# KiCad board kintsugi_v2.kicad_pcb
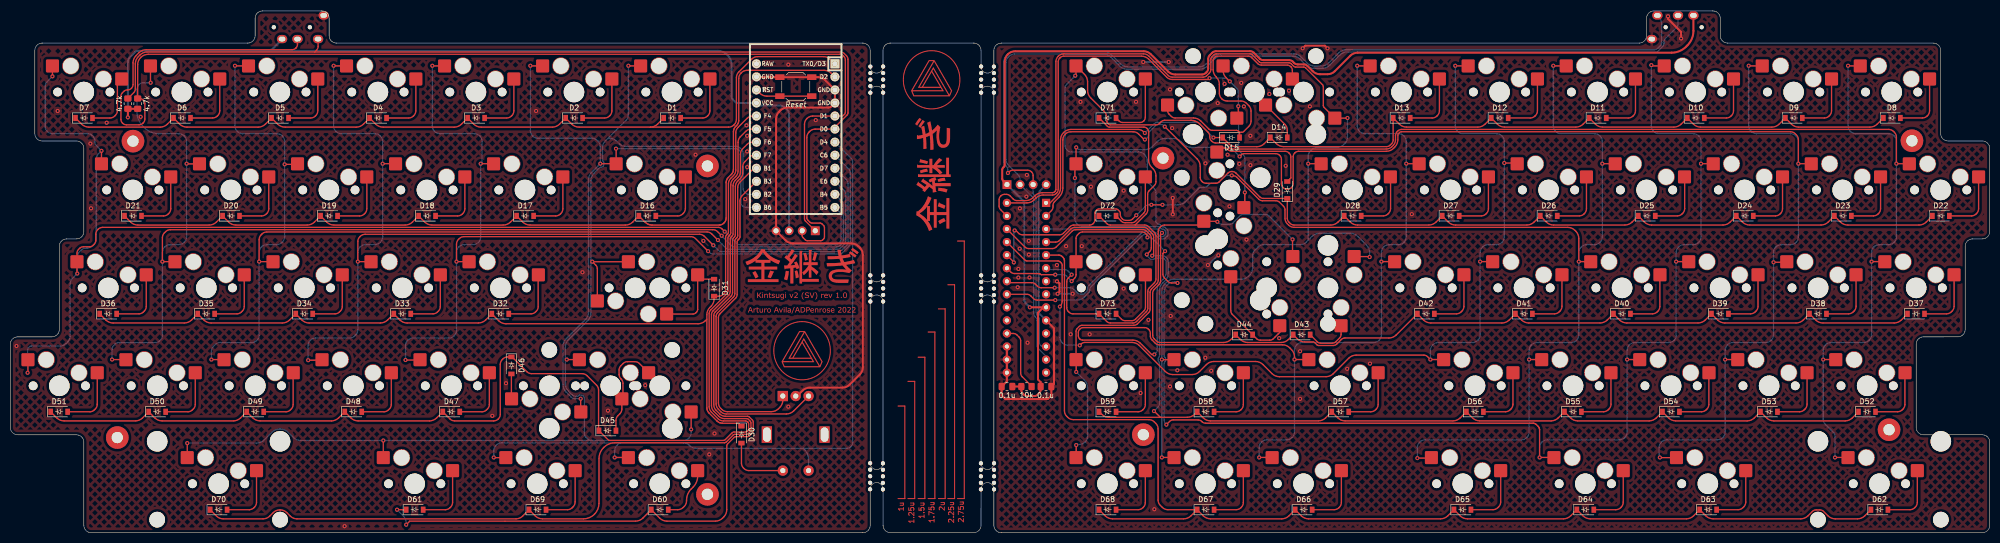
[diagram p0: board, top side]
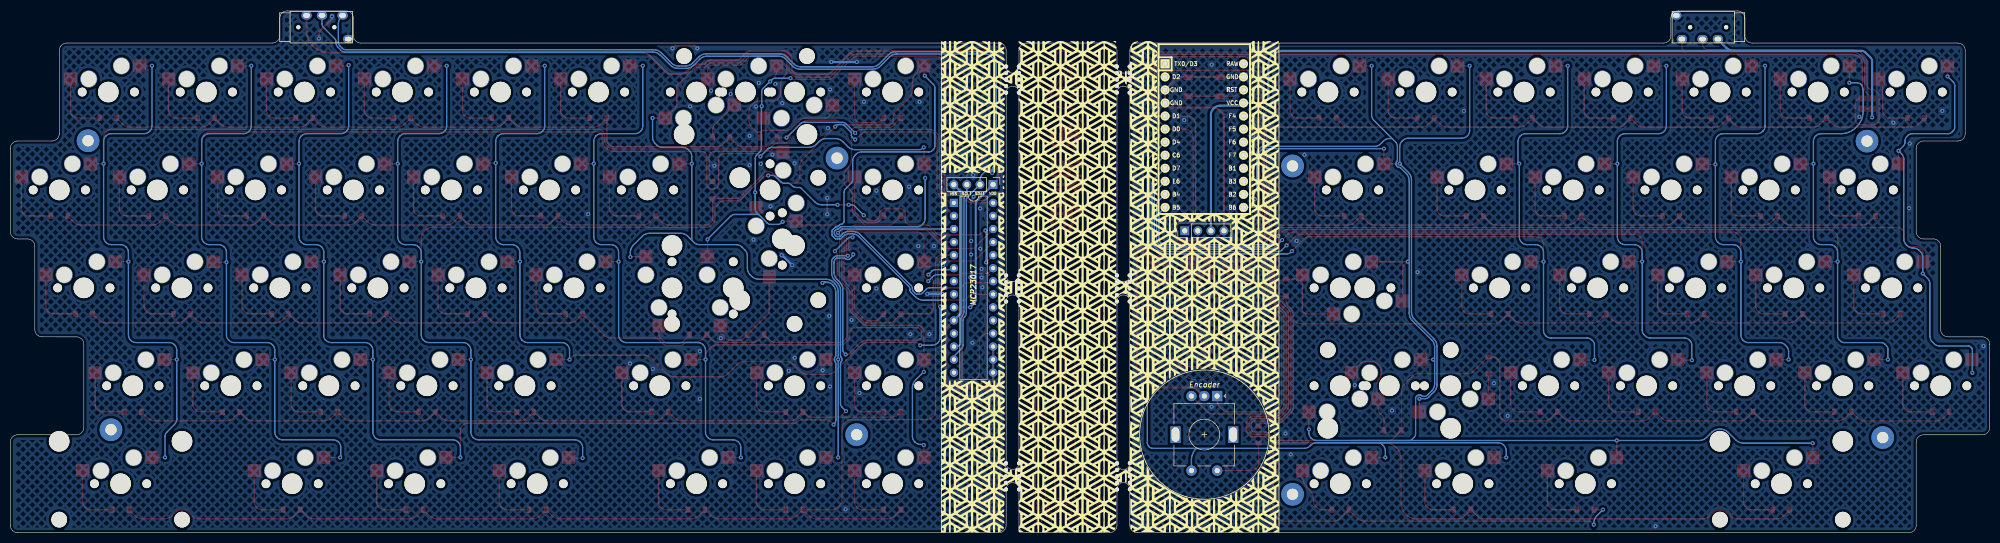
[diagram p1: board, bottom side, seen from below]

Outline 384.65 x 101.51 mm; copper layers: Top, Bottom. Coordinates in mm from the lower left corner of the outline.
Outline path: 332.29,96.68 332.29,100.08 arc(331.87,101.09) 330.86,101.5 319.4,101.51 arc(318.39,101.09) 317.97,100.08 317.97,96.68 arc(317.55,95.67) 316.54,95.25 192.56,95.25 arc(191.55,94.83) 191.13,93.82 191.13,90.66 arc(189.89,89.41) 188.64,90.66 188.64,93.83 arc(188.22,94.84) 187.21,95.26 171.02,95.26 arc(170.01,94.84) 169.59,93.83 169.59,90.66 arc(168.35,89.41) 167.1,90.66 167.1,93.82 arc(166.68,94.83) 165.67,95.25 63.39,95.25 arc(62.38,95.67) 61.96,96.68 61.96,100.08 arc(61.54,101.09) 60.53,101.51 49.01,101.5 arc(48,101.09) 47.58,100.08 47.58,96.68 arc(47.16,95.67) 46.15,95.25 6.19,95.25 arc(5.18,94.83) 4.76,93.82 4.76,77.63 arc(5.18,76.62) 6.19,76.2 12.86,76.2 arc(13.87,75.78) 14.29,74.77 14.29,58.58 arc(13.87,57.57) 12.86,57.15 10.95,57.15 arc(9.94,56.73) 9.53,55.72 9.53,39.53 arc(9.11,38.52) 8.1,38.1 1.43,38.1 arc(0.42,37.68) 0,36.67 0,20.48 arc(0.42,19.47) 1.43,19.05 12.86,19.05 arc(13.87,18.63) 14.29,17.62 14.29,1.43 arc(14.71,0.42) 15.72,0.01 165.67,0 arc(166.68,0.42) 167.1,1.43 167.1,8.51 arc(168.35,9.76) 169.6,8.51 169.6,1.44 arc(170.01,0.43) 171.02,0.01 187.21,0.01 arc(188.22,0.43) 188.64,1.44 188.64,8.51 arc(189.89,9.76) 191.13,8.51 191.13,1.44 arc(191.55,0.42) 192.56,0.01 383.22,0.01 arc(384.23,0.43) 384.65,1.44 384.65,17.63 arc(384.23,18.64) 383.22,19.05 371.79,19.05 arc(370.78,19.47) 370.36,20.48 370.36,36.67 arc(370.78,37.69) 371.79,38.1 378.46,38.11 arc(379.47,38.52) 379.88,39.53 379.89,55.73 arc(380.3,56.74) 381.31,57.15 383.22,57.15 arc(384.23,57.57) 384.65,58.58 384.65,74.78 arc(384.23,75.79) 383.22,76.2 376.55,76.21 arc(375.54,76.62) 375.12,77.63 375.13,93.82 arc(374.71,94.83) 373.7,95.25 333.72,95.26 arc(332.71,95.68) 332.29,96.69 ; 167.1,85.62 167.1,50.04 arc(168.35,48.79) 169.59,50.04 169.59,85.62 arc(168.35,86.87) 167.1,85.62 ; 167.1,45.01 arc(168.35,46.25) 169.59,45.01 169.59,13.54 arc(168.35,12.3) 167.1,13.54 167.1,45.01 ; 188.64,85.63 arc(189.89,86.87) 191.13,85.63 191.13,50.04 arc(189.89,48.8) 188.64,50.04 188.64,85.63 ; 188.64,45.01 arc(189.89,46.26) 191.13,45.01 191.13,13.54 arc(189.89,12.3) 188.64,13.54 188.64,45.01
Stack: Top 0.035mm / dielectric 1.51mm FR4 er 4.5 / Bottom 0.035mm

## Placement (name value [footprint] x y rotation side)
C1  0.1u  [C_0805_2012Metric_Pad1.18x1.45mm_HandSolder]  193.68 28.44 180 top
C2  0.1u  [C_0805_2012Metric_Pad1.18x1.45mm_HandSolder]  201.26 28.44 0 top
D1  D_Small  [D_SOD-123_silkscreen]  128.62 80.68 0 top
D2  D_Small  [D_SOD-123_silkscreen]  109.57 80.68 0 top
D3  D_Small  [D_SOD-123_silkscreen]  90.52 80.68 0 top
D4  D_Small  [D_SOD-123_silkscreen]  71.47 80.68 0 top
D5  D_Small  [D_SOD-123_silkscreen]  52.42 80.68 0 top
D6  D_Small  [D_SOD-123_silkscreen]  33.37 80.68 0 top
D7  D_Small  [D_SOD-123_silkscreen]  14.32 80.68 0 top
D8  D_Small  [D_SOD-123_silkscreen]  365.63 80.68 0 top
D9  D_Small  [D_SOD-123_silkscreen]  346.58 80.68 0 top
D10  D_Small  [D_SOD-123_silkscreen]  327.53 80.68 0 top
D11  D_Small  [D_SOD-123_silkscreen]  308.48 80.68 0 top
D12  D_Small  [D_SOD-123_silkscreen]  289.43 80.68 0 top
D13  D_Small  [D_SOD-123_silkscreen]  270.38 80.68 0 top
D14  D_Small  [D_SOD-123_silkscreen]  246.5 76.87 0 top
D15  D_Small  [D_SOD-123_silkscreen]  237.23 76.87 0 top
D16  D_Small  [D_SOD-123_silkscreen]  123.79 61.63 0 top
D17  D_Small  [D_SOD-123_silkscreen]  100.05 61.63 0 top
D18  D_Small  [D_SOD-123_silkscreen]  81 61.63 0 top
D19  D_Small  [D_SOD-123_silkscreen]  61.95 61.63 0 top
D20  D_Small  [D_SOD-123_silkscreen]  42.9 61.63 0 top
D21  D_Small  [D_SOD-123_silkscreen]  23.85 61.63 0 top
D22  D_Small  [D_SOD-123_silkscreen]  375.15 61.63 0 top
D23  D_Small  [D_SOD-123_silkscreen]  356.1 61.63 0 top
D24  D_Small  [D_SOD-123_silkscreen]  337.05 61.63 0 top
D25  D_Small  [D_SOD-123_silkscreen]  318 61.63 0 top
D26  D_Small  [D_SOD-123_silkscreen]  298.95 61.63 0 top
D27  D_Small  [D_SOD-123_silkscreen]  279.9 61.63 0 top
D28  D_Small  [D_SOD-123_silkscreen]  260.85 61.63 0 top
D29  D_Small  [D_SOD-123_silkscreen]  248.15 66.68 90 top
D30  D_Small  [D_SOD-123_silkscreen]  142.08 19.08 270 top
D31  D_Small  [D_SOD-123_silkscreen]  136.76 47.67 90 top
D32  D_Small  [D_SOD-123_silkscreen]  95.22 42.58 0 top
D33  D_Small  [D_SOD-123_silkscreen]  76.17 42.58 0 top
D34  D_Small  [D_SOD-123_silkscreen]  57.12 42.58 0 top
D35  D_Small  [D_SOD-123_silkscreen]  38.07 42.58 0 top
D36  D_Small  [D_SOD-123_silkscreen]  19.02 42.58 0 top
D37  D_Small  [D_SOD-123_silkscreen]  370.33 42.58 0 top
D38  D_Small  [D_SOD-123_silkscreen]  351.28 42.58 0 top
D39  D_Small  [D_SOD-123_silkscreen]  332.23 42.58 0 top
D40  D_Small  [D_SOD-123_silkscreen]  313.18 42.58 0 top
D41  D_Small  [D_SOD-123_silkscreen]  294.13 42.58 0 top
D42  D_Small  [D_SOD-123_silkscreen]  275.08 42.58 0 top
D43  D_Small  [D_SOD-123_silkscreen]  250.95 38.52 0 top
D44  D_Small  [D_SOD-123_silkscreen]  239.77 38.52 0 top
D45  D_Small  [D_SOD-123_silkscreen]  116.05 19.85 0 top
D46  D_Small  [D_SOD-123_silkscreen]  97.38 32.55 270 top
D47  D_Small  [D_SOD-123_silkscreen]  85.69 23.53 0 top
D48  D_Small  [D_SOD-123_silkscreen]  66.64 23.53 0 top
D49  D_Small  [D_SOD-123_silkscreen]  47.59 23.53 0 top
D50  D_Small  [D_SOD-123_silkscreen]  28.54 23.53 0 top
D51  D_Small  [D_SOD-123_silkscreen]  9.49 23.53 0 top
D52  D_Small  [D_SOD-123_silkscreen]  360.8 23.53 0 top
D53  D_Small  [D_SOD-123_silkscreen]  341.75 23.53 0 top
D54  D_Small  [D_SOD-123_silkscreen]  322.7 23.53 0 top
D55  D_Small  [D_SOD-123_silkscreen]  303.65 23.53 0 top
D56  D_Small  [D_SOD-123_silkscreen]  284.6 23.53 0 top
D57  D_Small  [D_SOD-123_silkscreen]  258.44 23.53 0 top
D58  D_Small  [D_SOD-123_silkscreen]  232.28 23.53 0 top
D59  D_Small  [D_SOD-123_silkscreen]  213.23 23.53 0 top
D60  D_Small  [D_SOD-123_silkscreen]  126.21 4.48 0 top
D61  D_Small  [D_SOD-123_silkscreen]  78.58 4.48 0 top
D62  D_Small  [D_SOD-123_silkscreen]  363.22 4.48 0 top
D63  D_Small  [D_SOD-123_silkscreen]  329.94 4.48 0 top
D64  D_Small  [D_SOD-123_silkscreen]  306.07 4.48 0 top
D65  D_Small  [D_SOD-123_silkscreen]  282.19 4.48 0 top
D66  D_Small  [D_SOD-123_silkscreen]  251.33 4.48 0 top
D67  D_Small  [D_SOD-123_silkscreen]  232.28 4.48 0 top
D68  D_Small  [D_SOD-123_silkscreen]  213.23 4.48 0 top
D69  D_Small  [D_SOD-123_silkscreen]  102.46 4.48 0 top
D70  D_Small  [D_SOD-123_silkscreen]  40.48 4.48 0 top
D71  D_Small  [D_SOD-123_silkscreen]  213.23 80.68 0 top
D72  D_Small  [D_SOD-123_silkscreen]  213.23 61.63 0 top
D73  D_Small  [D_SOD-123_silkscreen]  213.23 42.58 0 top
G***  -  [LOGO]  179.03 88.11 0 top
G***#2  -  [LOGO]  153.86 46.07 0 top
G***#3  -  [LOGO]  153.86 46.07 0 top
G***#4  -  [LOGO]  153.86 51.94 0 top
G***#5  -  [LOGO]  179.03 88.11 0 top
G***#6  -  [LOGO]  179.29 69.7 90 top
G***#7  -  [LOGO]  179.29 69.7 90 top
G***#8  -  [LOGO]  153.86 35.41 0 top
G***#9  -  [LOGO]  153.86 43.28 0 top
G***#10  -  [LOGO]  153.86 35.41 0 top
G***#11  -  [LOGO]  153.86 51.94 0 top
G***#12  -  [LOGO]  153.86 43.28 0 top
G***#13  -  [LOGO]  170.94 47.84 180 bottom
H1  MountingHole  [breakaway-mousebites]  166.88 88.15 270 top
H2  MountingHole  [breakaway-mousebites]  169.83 10.97 90 top
H3  MountingHole  [breakaway-mousebites]  169.87 47.52 90 top
H4  MountingHole  [breakaway-mousebites]  166.84 10.99 270 top
H5  MountingHole  [breakaway-mousebites]  169.87 88.15 90 top
H6  MountingHole  [breakaway-mousebites]  166.88 47.52 270 top
H7  MountingHole  [breakaway-mousebites]  188.41 47.52 270 top
H8  MountingHole  [breakaway-mousebites]  191.39 47.51 90 top
H9  MountingHole  [breakaway-mousebites]  191.39 88.15 90 top
H10  MountingHole  [breakaway-mousebites]  188.41 88.15 270 top
H11  MountingHole  [breakaway-mousebites]  188.36 10.97 270 top
H12  MountingHole  [breakaway-mousebites]  191.42 10.97 90 top
H13  MountingHole  [MountingHole_2.2mm_M2_Pad]  23.84 76.17 0 top
H14  MountingHole  [MountingHole_2.2mm_M2_Pad]  135.47 71.35 0 top
H15  MountingHole  [MountingHole_2.2mm_M2_Pad]  135.47 7.47 0 top
H16  MountingHole  [MountingHole_2.2mm_M2_Pad]  20.79 18.51 0 top
H17  MountingHole  [MountingHole_2.2mm_M2_Pad]  223.99 72.87 0 top
H18  MountingHole  [MountingHole_2.2mm_M2_Pad]  369.54 76.25 0 top
H19  MountingHole  [MountingHole_2.2mm_M2_Pad]  365.09 20.04 0 top
H20  MountingHole  [MountingHole_2.2mm_M2_Pad]  220.18 19.07 0 top
J1  Conn_01x04  [PinHeader_1x04_P2.54mm_Vertical]  156.42 58.74 90 bottom
J2  Conn_01x04  [PinHeader_1x04_P2.54mm_Vertical]  193.68 67.73 270 bottom
J3  AudioJack4  [TRRS-PJ-320A]  49.61 98.33 270 bottom
J4  AudioJack4  [TRRS-PJ-320A]  330.28 98.33 90 bottom
MX1  MX-NoLED  [MX100H]  128.59 85.73 0 top
MX2  MX-NoLED  [MX100H]  109.54 85.73 0 top
MX3  MX-NoLED  [MX100H]  90.49 85.73 0 top
MX4  MX-NoLED  [MX100H]  71.44 85.73 0 top
MX5  MX-NoLED  [MX100H]  52.39 85.73 0 top
MX6  MX-NoLED  [MX100H]  33.34 85.73 0 top
MX7  MX-NoLED  [MX100H]  14.29 85.73 0 top
MX8  MX-NoLED  [MX100H]  365.6 85.73 0 top
MX9  MX-NoLED  [MX100H]  346.55 85.73 0 top
MX10  MX-NoLED  [MX100H]  327.5 85.73 0 top
MX11  MX-NoLED  [MX100H]  308.45 85.73 0 top
MX12  MX-NoLED  [MX100H]  289.4 85.73 0 top
MX13  MX-NoLED  [MX100H]  270.35 85.73 0 top
MX14  MX-NoLED  [MX100H]  251.3 85.73 180 top
MX15  MX-NoLED  [MX100H]  232.25 85.73 180 top
MX16  MX-NoLED  [MX200H]  241.77 85.73 0 top
MX17  MX-NoLED  [MX150H]  123.83 66.68 0 top
MX18  MX-NoLED  [MX100H]  100.01 66.68 0 top
MX19  MX-NoLED  [MX100H]  80.96 66.68 0 top
MX20  MX-NoLED  [MX100H]  61.91 66.68 0 top
MX21  MX-NoLED  [MX100H]  42.86 66.68 0 top
MX22  MX-NoLED  [MX100H]  23.81 66.68 0 top
MX23  MX-NoLED  [MX100H]  375.12 66.68 0 top
MX24  MX-NoLED  [MX100H]  356.07 66.68 0 top
MX25  MX-NoLED  [MX100H]  337.02 66.68 0 top
MX26  MX-NoLED  [MX100H]  317.97 66.68 0 top
MX27  MX-NoLED  [MX100H]  298.92 66.68 0 top
MX28  MX-NoLED  [MX100H]  279.87 66.68 0 top
MX29  MX-NoLED  [MX100H]  260.82 66.68 0 top
MX30  MX-NoLED  [MX100H]  237.01 66.68 90 top
MX31  MX-NoLED  [MX125H]  126.21 47.63 0 top
MX32  MX-NoLED  [MX175H]  121.44 47.63 180 top
MX33  MX-NoLED  [MX100H]  95.25 47.63 0 top
MX34  MX-NoLED  [MX100H]  76.2 47.63 0 top
MX35  MX-NoLED  [MX100H]  57.15 47.63 0 top
MX36  MX-NoLED  [MX100H]  38.1 47.63 0 top
MX37  MX-NoLED  [MX100H]  19.05 47.63 0 top
MX38  MX-NoLED  [MX100H]  370.36 47.63 0 top
MX39  MX-NoLED  [MX100H]  351.31 47.63 0 top
MX40  MX-NoLED  [MX100H]  332.26 47.63 0 top
MX41  MX-NoLED  [MX100H]  313.21 47.63 0 top
MX42  MX-NoLED  [MX100H]  294.16 47.63 0 top
MX43  MX-NoLED  [MX100H]  275.11 47.63 0 top
MX44  MX-NoLED  [MX100H]  256.06 47.63 270 top
MX45  MX-NoLED  [MX100H]  244.15 47.63 270 top
MX46  MX-NoLED  [MX100H]  234.63 57.15 270 top
MX47  MX-NoLED  [MX125H]  126.21 28.58 180 top
MX48  MX-NoLED  [MX225H]  116.68 28.58 0 top
MX49  MX-NoLED  [MX100H]  104.78 28.58 180 top
MX50  MX-NoLED  [MX100H]  85.73 28.58 0 top
MX51  MX-NoLED  [MX100H]  66.68 28.58 0 top
MX52  MX-NoLED  [MX100H]  47.63 28.58 0 top
MX53  MX-NoLED  [MX100H]  28.58 28.58 0 top
MX54  MX-NoLED  [MX100H]  9.53 28.58 0 top
MX55  MX-NoLED  [MX100H]  360.84 28.58 0 top
MX56  MX-NoLED  [MX100H]  341.79 28.58 0 top
MX57  MX-NoLED  [MX100H]  322.74 28.58 0 top
MX58  MX-NoLED  [MX100H]  303.69 28.58 0 top
MX59  MX-NoLED  [MX100H]  284.64 28.58 0 top
MX60  MX-NoLED  [MX175H]  258.44 28.58 0 top
MX61  MX-NoLED  [MX100H]  232.25 28.58 0 top
MX62  MX-NoLED  [MX100H]  213.2 28.58 0 top
MX63  MX-NoLED  [MX125H]  126.21 9.53 0 top
MX64  MX-NoLED  [MX125H]  78.58 9.53 0 top
MX65  MX-NoLED  [MX225HR]  363.22 9.53 0 top
MX66  MX-NoLED  [MX125H]  329.88 9.53 0 top
MX67  MX-NoLED  [MX125H]  306.07 9.53 0 top
MX68  MX-NoLED  [MX125H]  282.25 9.53 0 top
MX69  MX-NoLED  [MX100H]  251.3 9.53 0 top
MX70  MX-NoLED  [MX100H]  232.25 9.53 0 top
MX71  MX-NoLED  [MX100H]  213.2 9.53 0 top
MX72  MX-NoLED  [MX125H]  102.39 9.53 0 top
MX73  MX-NoLED  [MX275HR]  40.48 9.53 0 top
MX74  MX-NoLED  [MX100H]  213.2 85.73 0 top
MX75  MX-NoLED  [MX100H]  213.2 66.68 0 top
MX76  MX-NoLED  [MX100H]  213.2 47.63 0 top
R1  10k  [R_0805_2012Metric_Pad1.20x1.40mm_HandSolder]  197.47 28.44 0 top
R2  4.7k  [R_0805_2012Metric_Pad1.20x1.40mm_HandSolder]  22.85 83.47 90 top
R3  4.7k  [R_0805_2012Metric_Pad1.20x1.40mm_HandSolder]  24.75 83.47 270 top
S1  MX_stab  [STAB_MX_ISO_FLIPPED]  234.63 57.15 180 bottom
S2  MX_stab  [STAB_MX_2.25u]  244.15 47.63 0 bottom
SW1  RotaryEncoder_Switch  [RotaryEncoder_Alps_EC11E-Switch_Vertical_H20mm]  150.12 26.59 270 bottom
SW2  SW_Push  [SW_SPST_SKQG_WithStem]  152.64 86.77 0 top
U1  ProMicro  [ArduinoProMicro]  152.62 77.25 270 bottom
U2  MCP23017_SP  [DIP-28_W7.62mm]  201.28 64.16 180 bottom

## Footprints (pads in the part's own frame, mm; a bottom-side part is the same pattern mirrored in y, then rotated)
ArduinoProMicro
  rect 1.753x1.753 hole 1.092: 1(-13.97,-7.62)
  round 1.753 hole 1.092: 2(-11.43,-7.62) 3(-8.89,-7.62) 4(-6.35,-7.62) 5(-3.81,-7.62) 6(-1.27,-7.62) 7(1.27,-7.62) 8(3.81,-7.62) 9(6.35,-7.62) 10(8.89,-7.62) 11(11.43,-7.62) 12(13.97,-7.62) 13(13.97,7.62) 14(11.43,7.62) 15(8.89,7.62) 16(6.35,7.62) 17(3.81,7.62) 18(1.27,7.62) 19(-1.27,7.62) 20(-3.81,7.62) 21(-6.35,7.62) 22(-8.89,7.62) 23(-11.43,7.62) 24(-13.97,7.62)
breakaway-mousebites
  round 0.787 hole 0.787 unplated: (-2.54,0.254) (-1.27,0.254) (0,0.254) (1.27,0.254) (2.54,0.254)
C_0805_2012Metric_Pad1.18x1.45mm_HandSolder
  rrect 1.175x1.45 smd: 1(-1.038,0) 2(1.038,0)
D_SOD-123_silkscreen
  rect 0.9x1.2 smd: 1(-1.65,0) 2(1.65,0)
DIP-28_W7.62mm
  rect 1.6x1.6 hole 0.8: 1(0,0)
  oval 1.6x1.6 hole 0.8: 2(0,-2.54) 3(0,-5.08) 4(0,-7.62) 5(0,-10.16) 6(0,-12.7) 7(0,-15.24) 8(0,-17.78) 9(0,-20.32) 10(0,-22.86) 11(0,-25.4) 12(0,-27.94) 13(0,-30.48) 14(0,-33.02) 15(7.62,-33.02) 16(7.62,-30.48) 17(7.62,-27.94) 18(7.62,-25.4) 19(7.62,-22.86) 20(7.62,-20.32) 21(7.62,-17.78) 22(7.62,-15.24) 23(7.62,-12.7) 24(7.62,-10.16) 25(7.62,-7.62) 26(7.62,-5.08) 27(7.62,-2.54) 28(7.62,0)
MountingHole_2.2mm_M2_Pad
  round 4.4 hole 2.2: 1(0,0)
MX100H
  round 1.702 hole 1.702 unplated: (-5.08,0) (5.08,0)
  round 3.302 hole 3.048 unplated: (-2.54,5.08) (3.81,2.54)
  round 3.988 hole 3.988 unplated: (0,0)
  rrect 2.54x2.54 smd: 1(-6.096,5.08) 2(7.366,2.54)
MX125H
  round 1.702 hole 1.702 unplated: (-5.08,0) (5.08,0)
  round 3.302 hole 3.048 unplated: (-2.54,5.08) (3.81,2.54)
  round 3.988 hole 3.988 unplated: (0,0)
  rrect 2.54x2.54 smd: 1(-6.096,5.08) 2(7.366,2.54)
MX150H
  round 1.702 hole 1.702 unplated: (-5.08,0) (5.08,0)
  round 3.302 hole 3.048 unplated: (-2.54,5.08) (3.81,2.54)
  round 3.988 hole 3.988 unplated: (0,0)
  rrect 2.54x2.54 smd: 1(-6.096,5.08) 2(7.366,2.54)
MX175H
  round 1.702 hole 1.702 unplated: (-5.08,0) (5.08,0)
  round 3.302 hole 3.048 unplated: (-2.54,5.08) (3.81,2.54)
  round 3.988 hole 3.988 unplated: (0,0)
  rrect 2.54x2.54 smd: 1(-6.096,5.08) 2(7.366,2.54)
MX200H
  round 3.048 hole 3.048 unplated: (-11.938,6.985) (11.938,6.985)
  round 3.988 hole 3.988 unplated: (-11.938,-8.255) (0,0) (11.938,-8.255)
  round 1.702 hole 1.702 unplated: (-5.08,0) (5.08,0)
  round 3.302 hole 3.048 unplated: (-2.54,5.08) (3.81,2.54)
  rrect 2.54x2.54 smd: 1(-6.096,5.08) 2(7.366,2.54)
MX225H
  round 3.048 hole 3.048 unplated: (-11.938,6.985) (11.938,6.985)
  round 3.988 hole 3.988 unplated: (-11.938,-8.255) (0,0) (11.938,-8.255)
  round 1.702 hole 1.702 unplated: (-5.08,0) (5.08,0)
  round 3.302 hole 3.048 unplated: (-2.54,5.08) (3.81,2.54)
  rrect 2.54x2.54 smd: 1(-6.096,5.08) 2(7.366,2.54)
MX225HR
  round 3.988 hole 3.988 unplated: (-11.938,8.255) (0,0) (11.938,8.255)
  round 3.048 hole 3.048 unplated: (-11.938,-6.985) (11.938,-6.985)
  round 1.702 hole 1.702 unplated: (-5.08,0) (5.08,0)
  round 3.302 hole 3.048 unplated: (-2.54,5.08) (3.81,2.54)
  rrect 2.54x2.54 smd: 1(-6.096,5.08) 2(7.366,2.54)
MX275HR
  round 3.988 hole 3.988 unplated: (-11.938,8.255) (0,0) (11.938,8.255)
  round 3.048 hole 3.048 unplated: (-11.938,-6.985) (11.938,-6.985)
  round 1.702 hole 1.702 unplated: (-5.08,0) (5.08,0)
  round 3.302 hole 3.048 unplated: (-2.54,5.08) (3.81,2.54)
  rrect 2.54x2.54 smd: 1(-6.096,5.08) 2(7.366,2.54)
PinHeader_1x04_P2.54mm_Vertical
  rect 1.7x1.7 hole 1: 1(0,0)
  oval 1.7x1.7 hole 1: 2(0,-2.54) 3(0,-5.08) 4(0,-7.62)
R_0805_2012Metric_Pad1.20x1.40mm_HandSolder
  rrect 1.2x1.4 smd: 1(-1,0) 2(1,0)
RotaryEncoder_Alps_EC11E-Switch_Vertical_H20mm
  rect 2x2 hole 1: A(0,0)
  round 2 hole 1: B(0,-5) C(0,-2.5) S1(14.5,-5) S2(14.5,0)
  rect 3.2x2 hole 2.8x1.5: MP(7.5,-8.1) MP(7.5,3.1)
STAB_MX_2.25u
  round 3.988 hole 3.988 unplated: (-11.906,-8.255) (11.906,-8.255)
  round 3.048 hole 3.048 unplated: (-11.906,6.985) (11.906,6.985)
STAB_MX_ISO_FLIPPED
  round 3.988 hole 3.988 unplated: (-8.255,-11.906) (-8.255,11.906)
  round 3.048 hole 3.048 unplated: (6.985,-11.906) (6.985,11.906)
SW_SPST_SKQG_WithStem
  rect 1.8x1.1 smd: 1(-3.1,1.85) 1(3.1,1.85) 2(-3.1,-1.85) 2(3.1,-1.85)
TRRS-PJ-320A
  round 0.8 hole 0.8 unplated: (0,-8.6) (0,-1.6)
  oval 1.6x2 hole 0.9x1.3: R1(2.3,-6.2) R2(2.3,-3.2) S(-2.3,-11.3) T(2.3,-10.2)

## Nets
GND: J1.4 J3.S SW1.C SW2.1 U1.3 U1.4 U1.23
VCC: J1.3 J3.R2 R2.1 R3.2 U1.21
VDD: C1.1 C2.1 J2.1 J4.R2 R1.1 U2.9
VSS: C1.2 C2.2 J2.4 J4.S U2.10 U2.15 U2.16 U2.17
COL0: MX63.1 MX72.1 SW1.S1 U1.7
COL1: MX1.1 MX31.1 MX32.2 MX47.1 MX48.1 MX64.1 MX73.1 U1.14
COL2: MX2.1 MX17.1 MX49.1 U1.13
COL3: MX3.1 MX18.1 MX33.1 MX50.1 U1.8
COL4: MX4.1 MX19.1 MX34.1 MX51.1 U1.9
COL5: MX5.1 MX20.1 MX35.1 MX52.1 U1.10
COL6: MX6.1 MX21.1 MX36.1 MX53.1 U1.11
COL7: MX7.1 MX22.1 MX37.1 MX54.1 U1.12
COL8: MX8.1 MX23.1 MX38.1 MX55.1 MX65.1 MX74.1 U2.21
COL9: MX9.1 MX24.1 MX39.1 MX56.1 MX66.1 MX75.1 U2.22
COL10: MX10.1 MX25.1 MX40.1 MX57.1 MX67.1 MX76.1 U2.23
COL11: MX11.1 MX26.1 MX41.1 MX58.1 MX68.1 U2.24
COL12: MX12.1 MX27.1 MX42.1 MX59.1 U2.25
COL13: MX13.1 MX28.1 MX43.1 MX60.1 MX69.1 U2.26
COL14: MX14.1 MX29.1 MX44.1 MX61.1 MX70.1 U2.27
COL15: MX15.1 MX16.1 MX30.1 MX45.1 MX46.1 MX62.1 MX71.1 U2.28
ENCA: SW1.A U1.15
ENCB: SW1.B U1.16
RE: D30.2 SW1.S2
RESET: SW2.2 U1.22
ROW0: D1.1 D2.1 D3.1 D4.1 D5.1 D6.1 D7.1 U1.1
ROW1: D16.1 D17.1 D18.1 D19.1 D20.1 D21.1 U1.2
ROW2: D30.1 D31.1 D32.1 D33.1 D34.1 D35.1 D36.1 U1.20
ROW3: D45.1 D46.1 D47.1 D48.1 D49.1 D50.1 D51.1 U1.19
ROW4: D60.1 D61.1 U1.17
ROW5: D69.1 D70.1 U1.18
ROW6: D8.1 D9.1 D10.1 D11.1 D12.1 D13.1 D14.1 D15.1 U2.1
ROW7: D22.1 D23.1 D24.1 D25.1 D26.1 D27.1 D28.1 D29.1 U2.2
ROW8: D37.1 D38.1 D39.1 D40.1 D41.1 D42.1 D43.1 D44.1 U2.3
ROW9: D52.1 D53.1 D54.1 D55.1 D56.1 D57.1 D58.1 D59.1 U2.4
ROW10: D62.1 D63.1 D64.1 D65.1 D66.1 D67.1 D68.1 U2.5
ROW11: D71.1 D72.1 D73.1 U2.6
SCL0: J1.2 J3.T R2.2 U1.6
SCL1: J2.3 J4.T U2.12
SDA0: J1.1 J3.R1 R3.1 U1.5
SDA1: J2.2 J4.R1 U2.13
Net-(D1-Pad2): D1.2 MX1.2
Net-(D2-Pad2): D2.2 MX2.2
Net-(D3-Pad2): D3.2 MX3.2
Net-(D4-Pad2): D4.2 MX4.2
Net-(D5-Pad2): D5.2 MX5.2
Net-(D6-Pad2): D6.2 MX6.2
Net-(D7-Pad2): D7.2 MX7.2
Net-(D8-Pad2): D8.2 MX8.2
Net-(D9-Pad2): D9.2 MX9.2
Net-(D10-Pad2): D10.2 MX10.2
Net-(D11-Pad2): D11.2 MX11.2
Net-(D12-Pad2): D12.2 MX12.2
Net-(D13-Pad2): D13.2 MX13.2
Net-(D14-Pad2): D14.2 MX14.2
Net-(D15-Pad2): D15.2 MX15.2 MX16.2
Net-(D16-Pad2): D16.2 MX17.2
Net-(D17-Pad2): D17.2 MX18.2
Net-(D18-Pad2): D18.2 MX19.2
Net-(D19-Pad2): D19.2 MX20.2
Net-(D20-Pad2): D20.2 MX21.2
Net-(D21-Pad2): D21.2 MX22.2
Net-(D22-Pad2): D22.2 MX23.2
Net-(D23-Pad2): D23.2 MX24.2
Net-(D24-Pad2): D24.2 MX25.2
Net-(D25-Pad2): D25.2 MX26.2
Net-(D26-Pad2): D26.2 MX27.2
Net-(D27-Pad2): D27.2 MX28.2
Net-(D28-Pad2): D28.2 MX29.2
Net-(D29-Pad2): D29.2 MX30.2
Net-(D31-Pad2): D31.2 MX31.2 MX32.1
Net-(D32-Pad2): D32.2 MX33.2
Net-(D33-Pad2): D33.2 MX34.2
Net-(D34-Pad2): D34.2 MX35.2
Net-(D35-Pad2): D35.2 MX36.2
Net-(D36-Pad2): D36.2 MX37.2
Net-(D37-Pad2): D37.2 MX38.2
Net-(D38-Pad2): D38.2 MX39.2
Net-(D39-Pad2): D39.2 MX40.2
Net-(D40-Pad2): D40.2 MX41.2
Net-(D41-Pad2): D41.2 MX42.2
Net-(D42-Pad2): D42.2 MX43.2
Net-(D43-Pad2): D43.2 MX44.2
Net-(D44-Pad2): D44.2 MX45.2 MX46.2
Net-(D45-Pad2): D45.2 MX47.2 MX48.2
Net-(D46-Pad2): D46.2 MX49.2
Net-(D47-Pad2): D47.2 MX50.2
Net-(D48-Pad2): D48.2 MX51.2
Net-(D49-Pad2): D49.2 MX52.2
Net-(D50-Pad2): D50.2 MX53.2
Net-(D51-Pad2): D51.2 MX54.2
Net-(D52-Pad2): D52.2 MX55.2
Net-(D53-Pad2): D53.2 MX56.2
Net-(D54-Pad2): D54.2 MX57.2
Net-(D55-Pad2): D55.2 MX58.2
Net-(D56-Pad2): D56.2 MX59.2
Net-(D57-Pad2): D57.2 MX60.2
Net-(D58-Pad2): D58.2 MX61.2
Net-(D59-Pad2): D59.2 MX62.2
Net-(D60-Pad2): D60.2 MX63.2
Net-(D61-Pad2): D61.2 MX64.2
Net-(D62-Pad2): D62.2 MX65.2
Net-(D63-Pad2): D63.2 MX66.2
Net-(D64-Pad2): D64.2 MX67.2
Net-(D65-Pad2): D65.2 MX68.2
Net-(D66-Pad2): D66.2 MX69.2
Net-(D67-Pad2): D67.2 MX70.2
Net-(D68-Pad2): D68.2 MX71.2
Net-(D69-Pad2): D69.2 MX72.2
Net-(D70-Pad2): D70.2 MX73.2
Net-(D71-Pad2): D71.2 MX74.2
Net-(D72-Pad2): D72.2 MX75.2
Net-(D73-Pad2): D73.2 MX76.2
Net-(R1-Pad2): R1.2 U2.18

Pads without a net: H13 1; H14 1; H15 1; H16 1; H17 1; H18 1; H19 1; H20 1; SW1 MP; U1 24; U2 7 8 11 14 19 20

## Via types
v1: diameter 0.8, hole 0.4, Top to Bottom, 204 vias

## Routing (per net, layer and track width the routed paths; a pad name or vN(x,y) marks a point on that pad's centre or on a via; arc(x,y) is an arc through that point)
GND: length 110.2
  Top w0.381: SW1.C 152.9,26.59 153.95,27.64 arc(154.6,28.08) 155.36,28.23 161.7,28.23 arc(162.47,28.38) 163.12,28.81 165.09,30.79 arc(165.52,31.43) 165.67,32.2 165.67,54.04 arc(165.52,54.8) 165.09,55.45 164.84,55.7 arc(164.19,56.14) 163.42,56.29 152.08,56.29 arc(151.32,56.44) 150.67,56.87 J1.4 148.8,80.48 arc(148.96,81.24) 149.39,81.89 149.62,82.12 arc(150.27,82.56) 151.04,82.71 158.94,82.71 arc(159.32,82.79) 159.65,83 U1.4 U1.3 158.34,88.04 arc(157.7,88.47) 156.93,88.62 SW2.1 SW2.1 145.06,88.62 U1.23 145.19,88.49
  vias: v1(1.21,36.32) v1(9.21,82.04) v1(15.56,75.69) v1(15.69,63.12) v1(18.73,79.76) v1(25.34,80.9) v1(64.96,1.27) v1(93.66,22.73) v1(96.33,29.08) v1(102.17,82.04) v1(111.19,50.67) v1(116.14,23.75) v1(123.38,28.7) v1(133.16,73.53) v1(134.68,56.77) v1(135.83,15.24) v1(136.84,19.31) v1(142.81,64.9) v1(143.06,79.24) v1(143.19,77.22) v1(143.19,74.17) v1(143.19,71.12) v1(151.19,91.06) v1(151.19,24.51) v1(156.53,80.27)
VCC: length 180
  Top w0.381: v1(22.85,80.81) R2.1 R3.2
  Bottom w0.381: J3.R2 52.81,95.96 51.2,94.35 arc(50.55,93.91) 49.78,93.76 ; J1.3 151.34,81.34 arc(151.23,81.91) 150.9,82.4 150.65,82.65 arc(150.16,82.98) 149.59,83.09 145.51,83.09 U1.21 141.48,83.6 arc(141.1,83.68) 140.77,83.89 140.47,84.2 arc(140.25,84.52) 140.18,84.9 140.18,91.07 arc(139.99,92.03) 139.44,92.84 139.26,93.03 arc(138.45,93.57) 137.49,93.76 49.78,93.76 ; 49.78,93.76 24.91,93.76 arc(24.53,93.68) 24.2,93.47 23.14,92.4 arc(22.92,92.08) 22.85,91.69 v1(22.85,80.81)
VDD: length 226.4
  Top w0.381: J4.R2 327.08,97.63 arc(326.77,96.1) 325.91,94.81 325.65,94.55 arc(324.36,93.69) 322.82,93.38 261.81,93.38 arc(261.04,93.23) 260.4,92.8 257.38,89.78 arc(256.73,89.34) 255.96,89.19 254.51,89.19 arc(253.75,89.34) 253.1,89.78 252.07,90.81 arc(251.74,91.03) 251.36,91.1 250.18,91.1 arc(249.8,91.18) 249.47,91.4 249.23,91.64 arc(248.9,91.86) 248.52,91.93 243.51,91.93 arc(243.12,92.01) 242.8,92.23 241.64,93.38 arc(241.32,93.6) 240.94,93.68 234.29,93.68 arc(233.91,93.6) 233.58,93.38 233.07,92.87 arc(232.86,92.55) 232.78,92.16 232.78,90.33 arc(232.7,89.95) 232.49,89.63 232.29,89.43 arc(231.97,89.22) 231.58,89.14 226.4,89.14 arc(225.63,89.29) 224.98,89.72 221.62,93.09 arc(220.97,93.52) 220.2,93.67 195.28,93.67 arc(194.52,93.52) 193.87,93.09 193.82,93.04 arc(193.38,92.39) 193.23,91.62 193.23,71.53 arc(193.19,71.34) 193.09,71.18 192.9,71 arc(192.79,70.83) 192.75,70.64 192.75,68.86 arc(192.79,68.67) 192.9,68.51 J2.1 ; C1.1 R1.1 196.47,27.75 arc(196.55,27.37) 196.76,27.04 196.93,26.87 arc(197.26,26.66) 197.64,26.58 198.97,26.58 arc(199.36,26.66) 199.68,26.87 199.93,27.12 arc(200.15,27.45) 200.22,27.83 C2.1 200.22,29.3 199.71,29.81 199.71,42.8 200.75,43.84 U2.9 201.27,43.85 v1(198.12,43.85)